# Altium PCB PCB-SM-multi.PcbDoc (part 1 of 2) (continued)
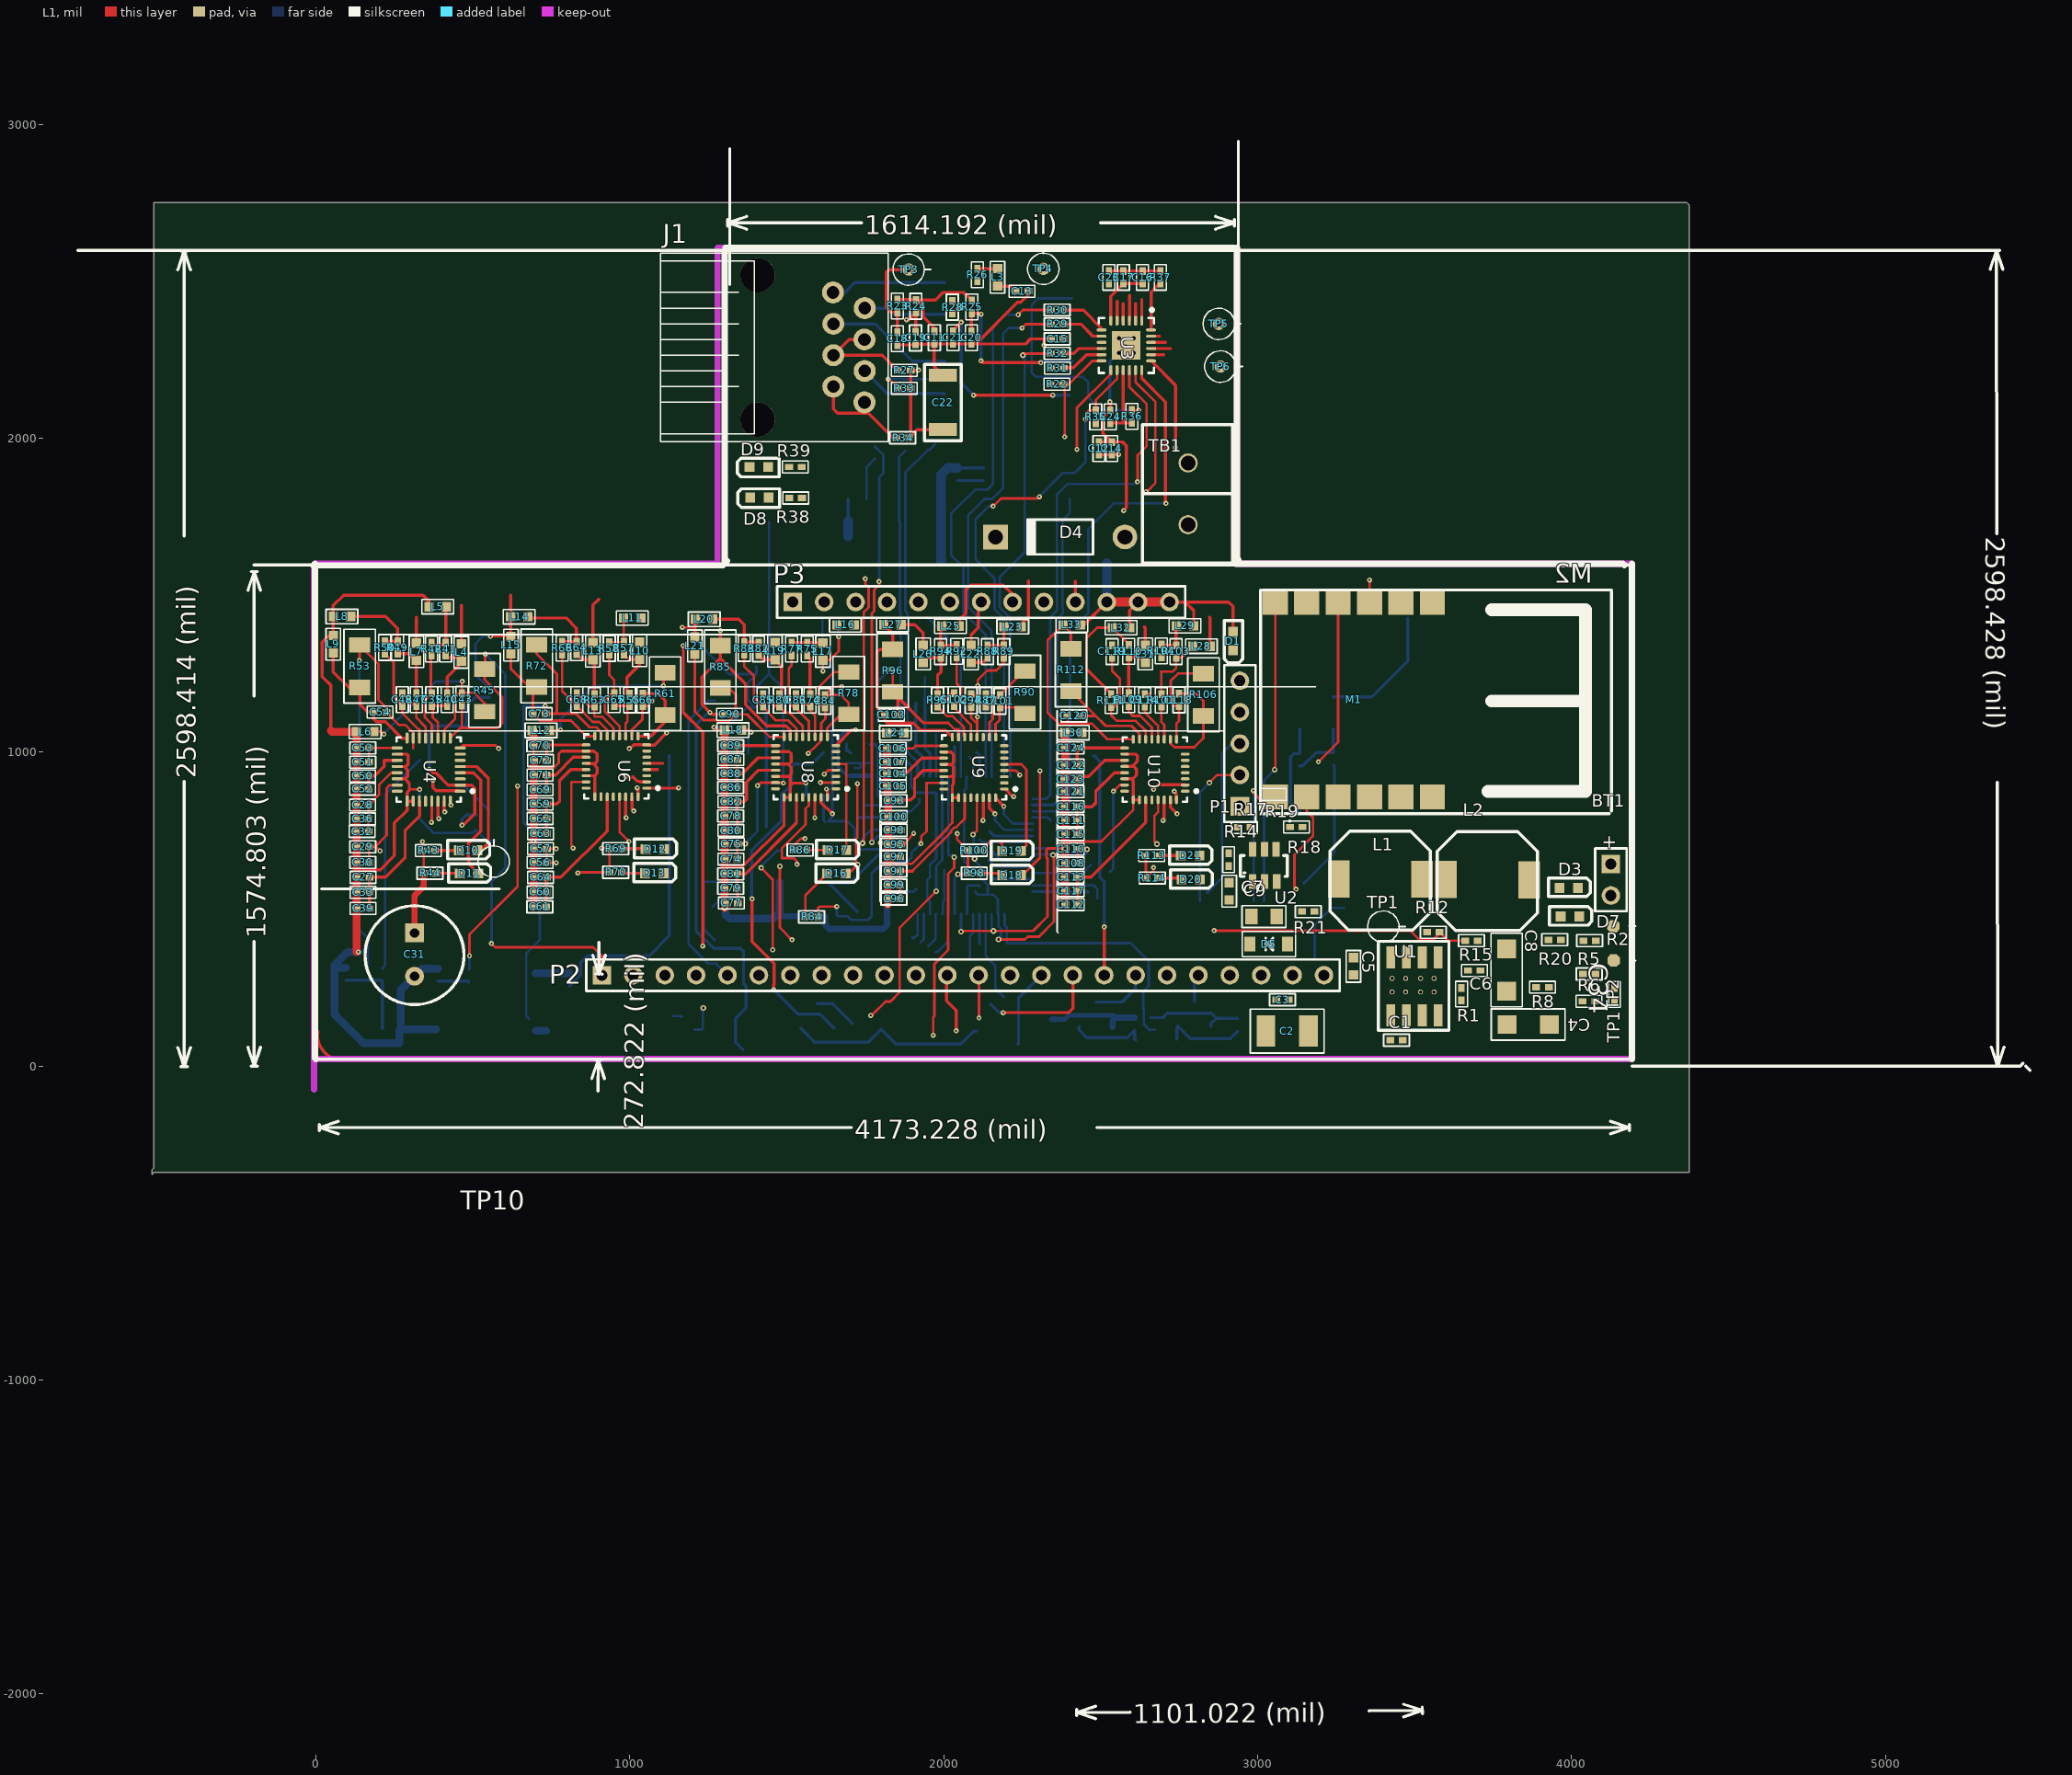
[diagram p0: L1 view]
## Components (designator, comment, footprint, x,y, rotation, side; value= is the part's Value field where it differs from the comment) (continued)
Q12 "MMBT2222" MMBT2222 2851.15,127.26 r180 bottom
R1 "100K" 0402R-GENERIC 3649,249 r270 top
R2 "150R" 0402R-GENERIC 4037,399 r0 top
R3 "100K" 0402R-TBD 3383,505 r0 bottom
R4 "47R" 0402R-GENERIC 3135,1277 r270 bottom
R5 "52.5K" 0402R-TBD 4036,293 r0 top
R6 "10k/1%" 0402R-TBD 4075,206 r180 top
R7 "27K" 0402R-TBD 3315,503 r180 bottom
R8 "10k/5%" 0402C-TBD 3927,251 r180 top
R9 "1K" 0402R-TBD 3243,1239 r90 bottom
R10 "10R" 0402C-TBD 3187,1533 r270 bottom
R11 "10R" 0402R-TBD 3280,874 r270 bottom
R12 "57.6K" 0402R-TBD 3579,426 r180 top
R13 "10K" 0402R-TBD 3241,999 r270 bottom
R14 "0/125W" 0402R-GENERIC 2907,637 r90 top
R15 "27K" 0402R-GENERIC 3701,399 r180 top
R16 "10K" 0402R-TBD 3134,956 r90 bottom
R17 "10K" 0402R-TBD 2937,760 r0 top
R18 "75K/1%/.125W" 0402R-TBD 3143,761 r180 top
R19 "40.2K/1%/.125W" 0402R-TBD 3030,865 r0 top
R20 "47" 0402R-TBD 3926,402 r0 top
R21 "13K" 0402R-TBD 3141,492 r0 top
R22 "1.5K" 0402R-TBD 2380,2172 r180 top
R23 "49.9" 0402R-TBD 1852,2401 r90 top
R24 "49.9" 0402R-TBD 1911,2400 r90 top
R25 "49.9" 0402R-TBD 2089,2398 r90 top
R26 "49.9" 0402R-TBD 2107,2500 r90 top
R27 "75/1%/.125W" 0402R-TBD 1854,2216 r0 top
R28 "75/1%/.125W" 0402R-TBD 2027,2397 r90 top
R29 "100" 0402R-TBD 2381,2363 r180 top
R30 "100" 0402R-TBD 2381,2408 r180 top
R31 "100" 0402R-TBD 2382,2223 r180 top
R32 "100" 0402R-TBD 2381,2270 r180 top
R33 "75/1%/.125W" 0402R-TBD 1894,2159 r180 top
R34 "75/1%/.125W" 0402R-TBD 1849,2001 r0 top
R35 "33" 0402R-TBD 2484,2048 r90 top
R36 "4.7k" 0402R-TBD 2599,2049 r90 top
R37 "12.1k" 0402R-TBD 2690,2532 r270 top
R38 "45" 0402R-TBD 1508,1809 r0 top
R39 "45" 0402R-TBD 1507,1908 r0 top
R40 "1K" 0402R-TBD 418,1147 r90 top
R41 "18.7" 0402R-TBD 413,1348 r270 top
R42 "1K" 0402R-TBD 368,1308 r90 top
R43 "220" 0402R-TBD 378,686 r180 top
R44 "220" 0402R-TBD 383,614 r180 top
R45 "470/1%/.250W" 1206FB-GENERIC 537,1264 r270 top
R46 "1M" 0402R-TBD 2609,1230 r270 bottom
R47 "1K" 0402R-TBD 320,1147 r90 top
R48 "470" 0402R-TBD 211,310 r270 bottom
R49 "18.7" 0402R-TBD 260,1353 r270 top
R50 "1K" 0402R-GENERIC 219,1313 r90 top
R51 "2K" 0402R-TBD 95,313 r270 bottom
R52 "1M" 0402R-TBD 511,799 r0 bottom
R53 "470/1%/.250W" 1206FB-GENERIC 139,1341 r270 top
R54 "470" 0402R-TBD 487,307 r270 bottom
R55 "1K" 0402R-TBD 999,1146 r90 top
R56 "2K" 0402R-TBD 388,310 r270 bottom
R57 "18.7" 0402R-TBD 981,1351 r270 top
R58 "1K" 0402R-TBD 934,1310 r90 top
R59 "10k" 0402R-TBD 1440,1193 r180 bottom
R60 "470" 0402R-TBD 807,255 r90 bottom
R61 "470/1%/.250W" 1206FB-GENERIC 1112,1118 r90 top
R62 "2K" 0402R-TBD 699,255 r90 bottom
R63 "1K" 0402R-TBD 887,1145 r90 top
R64 "18.7" 0402R-TBD 830,1352 r270 top
R65 "470" 0402R-TBD 1166,156 r270 bottom
R66 "1K" 0402R-TBD 784,1311 r90 top
R67 "220" 0402R-TBD 1780,1934 r90 bottom
R68 "220" 0402C-TBD 1940,1865 r90 bottom
R69 "220" 0402R-GENERIC 975,692 r180 top
R70 "220" 0402R-TBD 975,617 r180 top
R71 "2K" 0402R-TBD 896,103 r90 bottom
R72 "470/1%/.250W" 1206FB-GENERIC 703,1342 r270 top
R73 "470" 0402R-TBD 1206,116 r90 bottom
R74 "1K" 0402R-TBD 1574,1145 r90 top
R75 "18.7" 0402R-TBD 1565,1348 r270 top
R76 "2K" 0402R-GENERIC 1462,108 r90 bottom
R77 "1K" 0402R-TBD 1515,1308 r90 top
R78 "470/1%/.250W" 1206FB-GENERIC 1697,1120 r90 top
R79 "470" 0402R-GENERIC 1975,1057 r90 bottom
R80 "1K" 0402R-GENERIC 1476,1145 r90 top
R81 "2K" 0402R-GENERIC 1690,1067 r270 bottom
R82 "18.7" 0402R-GENERIC 1410,1349 r270 top
R83 "1K" 0402R-TBD 1364,1310 r90 top
R84 "220" 0402R-TBD 1559,475 r0 top
R85 "470/1%/.250W" 1206FB-GENERIC 1288,1339 r270 top
R86 "220" 0402R-TBD 1562,688 r180 top
R87 "1K" 0402R-TBD 2134,1145 r90 top
R88 "18.7" 0402R-TBD 2139,1340 r270 top
R89 "1K" 0402R-TBD 2191,1300 r90 top
R90 "470/1%/.250W" 1206FB-GENERIC 2258,1123 r90 top
R91 "470" 0402R-TBD 1765,1025 r90 bottom
R92 "1K" 0402R-TBD 2041,1301 r90 top
R93 "2K" 0402R-TBD 1835,1025 r90 bottom
R94 "18.7" 0402R-TBD 1990,1300 r90 top
R95 "1K" 0402R-TBD 1980,1145 r90 top
R96 "470/1%/.250W" 1206FB-GENERIC 1837,1192 r90 top
R97 "470" 0402R-TBD 2000,149 r270 bottom
R98 "220" 0402R-GENERIC 2117,614 r180 top
R99 "2K" 0402R-TBD 2294,146 r270 bottom
R100 "220" 0402R-GENERIC 2117,687 r180 top
R101 "K" 0402R-TBD 2693,1145 r90 top
R102 "470" 0402R-TBD 2344,109 r90 bottom
R103 "18.7" 0402R-TBD 2740,1340 r270 top
R104 "K" 0402R-TBD 2693,1302 r90 top
R105 "2K" 0402R-TBD 2608,114 r90 bottom
R106 "470/1%/.250W" 1206FB-GENERIC 2827,1250 r270 top
R107 "470" 0402R-TBD 2674,115 r90 bottom
R108 "2K" 0402R-TBD 2936,112 r90 bottom
R109 "K" 0402R-TBD 2589,1147 r90 top
R110 "18.7" 0402R-TBD 2589,1341 r270 top
R111 "K" 0402R-TBD 2533,1144 r90 top
R112 "470/1%/.250W" 1206FB-GENERIC 2405,1194 r90 top
R113 "220" 0402R-TBD 2682,670 r180 top
R114 "220" 0402R-TBD 2684,599 r180 top
TB1 "TB-2" "Terminal Block 2x5mm" 2778,1921 r270 top
TP1 "TESTPOINT" TESTPOINT#1 3400,444 r0 top
TP1 "TESTPOINT" TESTPOINT#2 4133,445 r0 top (schematic designator TP5)
TP2 "TESTPOINT" TESTPOINT#2 4134,336 r0 top (schematic designator TP8)
TP3 "TESTPOINT" TESTPOINT#3 1888,2537 r0 top
TP4 "TESTPOINT" TESTPOINT#3 2317,2539 r90 top (schematic designator TP5)
TP5 "TESTPOINT" TESTPOINT#3 2876,2364 r0 top
TP6 "TESTPOINT" TESTPOINT#3 2881,2228 r0 top (schematic designator TP7)
TP10 "TESTPOINT" TESTPOINT#4 566,651 r90 top
TrET1 "HX1224NL" S558-5999-Ethtransf 2408,2495 r270 bottom
U1 "MP2403" MP2403 3424,161 r0 top
U2 "MP1470" MP1470 2983.63,587.82 r0 top
U3 "LAN8720" QFN24_4X4_N 2581.26,2295.21 r270 top
U4 "STPM34" 32M1-A_M 359,944 r180 top
U5 "PIC32MX795" TQFP-PT64_N 2064,703 r180 bottom
U6 "STPM34" 32M1-A_L#1 957,954 r180 top
U7 "23LCV1024" SO8_L 1385,611 r180 bottom
U8 "STPM34" 32M1-A_L#1 1560,952 r180 top
U9 "STPM34" 32M1-A_L#1 2096,951 r180 top
U10 "STPM34" 32M1-A_L#2 2672.46,944.16 r180 top
Y1 "25 MHz" 25Mhz-oscl 2794,2306 r90 bottom
Y2 "8Mhz" CeramicResonator8-16MHZ 1622,580.57 r90 bottom
Y3 "16Mhz" CeramicResonator8-16MHZ 479,1083 r270 bottom

## Footprints (in the part's own frame and the unit in brackets; to place one, negate y for a bottom-side part, rotate by r counter-clockwise, add the part's x,y. Pads: shape width x height; smd on the part's side, far side on the other; paste and mask are expansions set on the pad)
25Mhz-oscl [mm]
  rect 1.9x2.6 smd: 1(0,0) 2(4,0)
  silkscreen extent -1.3,-1.7 5.5,1.7
32M1-A_L#1 [mm] "32-Pin Quad Flat No-Lead 0.5 mm Pitch, IPC High Density"
  oval 0.7x0.25 smd: 1(-2.45,1.75) 2(-2.45,1.25) 3(-2.45,0.75) 4(-2.45,0.25) 5(-2.45,-0.25) 6(-2.45,-0.75) 7(-2.45,-1.25) 8(-2.45,-1.75) 17(2.45,-1.75) 18(2.45,-1.25) 19(2.45,-0.75) 20(2.45,-0.25) 21(2.45,0.25) 22(2.45,0.75) 23(2.45,1.25) 24(2.45,1.75)
  oval 0.25x0.7 smd: 9(-1.75,-2.45) 10(-1.25,-2.45) 11(-0.75,-2.45) 12(-0.25,-2.45) 13(0.25,-2.45) 14(0.75,-2.45) 15(1.25,-2.45) 16(1.75,-2.45) 25(1.75,2.45) 26(1.25,2.45) 27(0.75,2.45) 28(0.25,2.45) 29(-0.25,2.45) 30(-0.75,2.45) 31(-1.25,2.45) 32(-1.75,2.45)
  silkscreen extent -3.48,-2.6 2.6,2.6, body extent -2.58,-2.58 2.58,2.58, height 1
32M1-A_L#2 [mm] "32-Pin Quad Flat No-Lead 0.5 mm Pitch, IPC High Density"
  oval 0.7x0.25 smd: 1(-2.45,1.75) 2(-2.45,1.25) 3(-2.45,0.75) 4(-2.45,0.25) 5(-2.45,-0.25) 6(-2.45,-0.75) 7(-2.45,-1.25) 17(2.45,-1.75) 18(2.45,-1.25) 19(2.45,-0.75) 20(2.45,-0.25) 21(2.45,0.25) 22(2.45,0.75) 23(2.45,1.25) 24(2.45,1.75)
  oval 0.25x0.7 smd: 9(-1.75,-2.45) 10(-1.25,-2.45) 11(-0.75,-2.45) 12(-0.25,-2.45) 13(0.25,-2.45) 14(0.75,-2.45) 15(1.25,-2.45) 16(1.75,-2.45) 25(1.75,2.45) 26(1.25,2.45) 27(0.75,2.45) 28(0.25,2.45) 29(-0.25,2.45) 30(-0.75,2.45) 31(-1.25,2.45) 32(-1.75,2.45)
  silkscreen extent -3.48,-2.6 2.6,2.6, body extent -2.58,-2.58 2.58,2.58, height 1
32M1-A_M [mm] "32-Pin Quad Flat No-Lead 0.5 mm Pitch, IPC Low Density"
  oval 0.9x0.25 smd paste+0 mask+0.076: 1(-2.55,1.75) 2(-2.55,1.25) 3(-2.55,0.75) 4(-2.55,0.25) 5(-2.55,-0.25) 6(-2.55,-0.75) 7(-2.55,-1.25) 8(-2.55,-1.75)
  oval 0.25x0.9 smd: 9(-1.75,-2.55) 10(-1.25,-2.55) 11(-0.75,-2.55) 12(-0.25,-2.55) 13(0.25,-2.55) 14(0.75,-2.55) 15(1.25,-2.55) 16(1.75,-2.55) 25(1.75,2.55) 26(1.25,2.55) 27(0.75,2.55) 28(0.25,2.55) 29(-0.25,2.55) 30(-0.75,2.55) 31(-1.25,2.55) 32(-1.75,2.55)
  oval 0.9x0.25 smd: 17(2.55,-1.75) 18(2.55,-1.25) 19(2.55,-0.75) 20(2.55,-0.25) 21(2.55,0.25) 22(2.55,0.75) 23(2.55,1.25) 24(2.55,1.75)
  silkscreen extent -3.68,-2.6 2.6,2.6, body extent -2.58,-2.58 2.58,2.58, height 1
0402C-GENERIC [mil]
  rect 25x20 smd: 1(0,0) 2(40,0)
  silkscreen extent -21,-19 61,19
0402C-TBD [mil]
  rect 25x20 smd: 1(0,0) 2(40,0)
  silkscreen extent -21,-19 61,19, body extent 2,-9 39,9, height 19
0402R-GENERIC [mil]
  rect 25x20 smd: 1(0,0) 2(40,0)
  silkscreen extent -21,-19 61,19, body extent -6,-10 46,10, height 14
0402R-TBD [mil]
  rect 25x20 smd: 1(0,0) 2(40,0)
  silkscreen extent -21,-19 61,19, body extent -6,-10 46,10, height 14
470uF/6.3v [mil]
  rect 60x60 hole 30: 1(0,0)
  round 60 hole 30: 2(137.8,0)
  silkscreen extent -87,-157 228,157
0603C-2U2 [mil] "CAPACITOR 0603"
  rect 30x30 smd: 1(0,0) 2(55,0)
  silkscreen extent -23,-23 78,23, body extent -4,-15 59,15, height 19
0603C-GENERIC [mil] "CAPACITOR 0603"
  rect 30x30 smd: 1(0,0) 2(55,0)
  silkscreen extent -23,-23 78,23, body extent -4,-15 59,15, height 19
0603C-TBD [mil] "CAPACITOR 0603 TBD"
  rect 30x30 smd: 1(0,0) 2(55,0)
  silkscreen extent -23,-23 78,23, body extent -4,-15 59,15, height 19
0805C-GENERIC [mil] "CAPACITOR 0805"
  rect 40x50 smd: 1(-10,0) 2(70,0)
  silkscreen extent -40,-35 100,35, body extent -11,-25 70,25, height 26
1206C-GENERIC [mil]
  rect 60x60 smd: 1(0,0) 2(135,0)
  silkscreen extent -50,-50 185,50, body extent -8,-29 147,29, height 46
1206FB-GENERIC [mm] "FERRITE BEAD 1206"
  rect 1.25x1.7 smd: 1(0,0) 2(3.429,0)
  silkscreen extent -1.27,-1.27 4.7,1.27, body extent 0.11,-0.81 3.31,0.8, height 1.55
1210C-GENERIC [mil]
  rect 60x100 smd: 1(0,0) 2(135,0)
  silkscreen extent -50,-70 185,70, body extent -10,-50 145,50, height 46
1808 [mm]
  rect 1.05x2.3 smd: 1(0,0) 2(4.4,0)
  silkscreen extent -0.9,-1.5 5.28,1.5
BAT-2 [mm] "Battery; 2 Leads"
  rect 1.5x1.5 hole 0.9: 1(-1.27,0)
  round 1.5 hole 0.9: 2(1.27,0)
  silkscreen extent -2.54,-1.27 2.54,1.27
CeramicResonator8-16MHZ [mm]
  rect 1.7x4 smd: 1(0,0) 2(5,0)
  rect 1.5x4 smd: 3(2.5,0)
  silkscreen extent -1.5,-2.5 6.5,2.5
DO-41 [mm] "Diode, Axial; Body 5.2 x 2.7 mm (LxDia. max), Lead Dia. 0.86 mm (max)"
  round 2 hole 1.2: 1(-5.23,0)
  rect 2x2 hole 1.2: 2(5.23,0)
  silkscreen extent -2.65,-1.41 2.75,1.4
ESP8266WROOm-02 [mm]
  rect 2.5x0.92 smd: 1(0,12.9) 2(0,11.4) 3(0,9.9) 4(0,8.4) 5(0,6.9) 6(0,5.4) 7(0,3.9) 8(0,2.4) 9(0,0.9) 10(18.3,0.9) 11(18.3,2.4) 12(18.3,3.9) 13(18.3,5.4) 14(18.3,6.9) 15(18.3,8.4) 16(18.3,9.9) 17(18.3,11.4) 18(18.3,12.9)
  silkscreen extent -2.2,0 20.5,20.25
HDR1X5 [mm] "Connector; Header; 5 Position"
  rect 1.5x1.5 hole 0.9: 1(0,0)
  round 1.5 hole 0.9: 2(2.54,0) 3(5.08,0) 4(7.62,0) 5(10.16,0)
  silkscreen extent -1.27,-1.27 11.43,1.27
HDR1X13 [mm] "Connector; Header; 13 Position"
  rect 1.5x1.5 hole 0.9: 1(0,0)
  round 1.5 hole 0.9: 2(2.54,0) 3(5.08,0) 4(7.62,0) 5(10.16,0) 6(12.7,0) 7(15.24,0) 8(17.78,0) 9(20.32,0) 10(22.86,0) 11(25.4,0) 12(27.94,0) 13(30.48,0)
  silkscreen extent -1.27,-1.27 31.75,1.27
HDR1X24 [mm] "Connector; Header; 24 Position"
  rect 1.5x1.5 hole 0.9: 1(0,0)
  round 1.5 hole 0.9: 2(2.54,0) 3(5.08,0) 4(7.62,0) 5(10.16,0) 6(12.7,0) 7(15.24,0) 8(17.78,0) 9(20.32,0) 10(22.86,0) 11(25.4,0) 12(27.94,0) 13(30.48,0) 14(33.02,0) 15(35.56,0) 16(38.1,0) 17(40.64,0) 18(43.18,0) 19(45.72,0) 20(48.26,0) 21(50.8,0) 22(53.34,0) 23(55.88,0) 24(58.42,0)
  silkscreen extent -1.27,-1.27 59.69,1.27
LED-SM [mm]
  rect 0.8x0.8 smd: 1(0,0) 2(1.5,0)
  silkscreen extent -0.9,-0.7 2.5,0.8
MMBT2222 [mm]
  rect 0.8x0.9 smd: B(0,0) C(1.35,2) E(2.7,0)
  silkscreen extent -1,-0.8 3.7,2.8
MP1470 [mm] "Power  Supply IC"
  rect 0.6x1.2 smd: 1(0,0) 2(0.95,0) 3(1.95,0) 4(1.9,2.6) 5(0.95,2.6) 6(0,2.6)
  silkscreen extent -1,0.4 2.8,2.1
MP2403 [mil]
  rect 28x70 smd: 1(0,0) 2(50,0) 3(100,0) 4(150,0) 5(150,185) 6(100,185) 7(50,185) 8(0,185)
  rect 0x0 smd: 4(70.87,94.49)
  round 15.75 hole 10: 10(3.94,74.8) 11(47.24,74.8) 12(94.49,74.8) 13(137.8,74.8) 14(137.8,118.11) 15(94.49,118.11) 16(47.24,118.11) 17(3.94,118.11)
  silkscreen extent -39,-47 185,236
"MRF24J40MA-zigBEE module" [mil]
  rect 80x80 smd: 1(0,500) 2(0,400) 3(0,300) 4(0,200) 5(0,100) 6(0,0) 7(620,0) 8(620,100) 9(620,200) 10(620,300) 11(620,400) 12(620,500)
  silkscreen extent -39,-47 673,1071
"Murata 15uH inductor" [mm]
  rect 1.75x3 smd: 1(0,0.025) 2(6.75,0)
  silkscreen extent -0.7,-4.1 7.4,3.9
QFN24_4X4_N [mm] "QFN, 24-Leads, Body 4x4mm, Pitch 0.5mm, IPC Medium Density"
  oval 0.8x0.25 smd: 1(-2,1.25) 2(-2,0.75) 3(-2,0.25) 4(-2,-0.25) 5(-2,-0.75) 6(-2,-1.25) 13(2,-1.25) 14(2,-0.75) 15(2,-0.25) 16(2,0.25) 17(2,0.75) 18(2,1.25)
  oval 0.25x0.8 smd: 7(-1.25,-2) 8(-0.75,-2) 9(-0.25,-2) 10(0.25,-2) 11(0.75,-2) 12(1.25,-2) 19(1.25,2) 20(0.75,2) 21(0.25,2) 22(-0.25,2) 23(-0.75,2) 24(-1.25,2)
  rect 2.3x2.3 smd: 25(0,0)
  silkscreen extent -3,-2.22 2.22,2.22, body extent -2.07,-2.07 2.07,2.07, height 1
RJ45-8/8 [mil]
  round 70 hole 40: 1(-100,350) 2(1,300) 3(-99,250) 4(0,200) 5(-99,150) 6(1,100) 7(-99,50) 8(0,0)
  round 110 hole 110 unplated: A(-340,-55) B(-340,405)
  silkscreen extent -650,-125 75,475
S558-5999-Ethtransf [mil]
  rect 25x50 smd: 1(0,0) 2(50,0) 3(100,0) 4(150,0) 5(200,0) 6(250,0) 7(300,0) 8(350,0) 9(354.33,405) 10(300,405) 11(250,405) 12(200,405) 13(150,405) 14(100,405) 15(50,405) 16(0,405)
  silkscreen extent -35,8 370,358
SO8_L [mm] "SOIC, 8-Leads, Body 4.9x3.9mm, Pitch 1.27mm, IPC High Density"
  oval 1.9x0.6 smd: 1(-2.35,1.905) 2(-2.35,0.635) 3(-2.35,-0.635) 4(-2.35,-1.905) 5(2.35,-1.905) 6(2.35,-0.635) 7(2.35,0.635) 8(2.35,1.905)
  silkscreen extent -2.48,-2.5 1,2.88, body extent -2,-2.5 2,2.5, height 1.75
SOD-123 [mm]
  rect 0.9x1.2 smd: A(3.048,0) K(0,0)
  silkscreen extent -0.64,-1.02 3.68,1.02, body extent -0.18,-0.87 3.3,0.87, height 0.79
SOT23-DIODE [mm] "SOT23 WITH A/K PIN NUMBERS"
  rect 0.9x0.7 smd: A(0,0) K(2.032,-0.965) NC(0,-1.9)
  silkscreen extent -0.63,-2.54 2.8,0.64, body extent -0.1,-2.41 2.34,0.51, height 1.33
"Terminal Block 2x5mm" [mm]
  round 1.55 hole 1.2: 1(0,0) 2(5,0)
  silkscreen extent -3.1,-3.7 8.1,3.6
TESTPOINT#1 [mil]
  round 0 smd: 1(0,0)
  silkscreen extent -50,-50 70,50, body extent -54,-52 54,52, height 254
TESTPOINT#2 [mil]
  oct 39.37x39.37 smd: 1(0,0)
  silkscreen extent 50,0 70,0, body extent -54,-52 54,52, height 254
TESTPOINT#3 [mil]
  round 39.37 hole 15.75: 1(0,0)
  silkscreen extent -50,-50 70,50, body extent -54,-52 54,52, height 254
TESTPOINT#4 [mil]
  oct 0x0 all layers, no hole: 1(0,0)
  silkscreen extent -50,-50 70,50, body extent -54,-52 54,52, height 254
TQFP-PT64_N [mm] "Thin QFP, 64-Leads, Body 10x10mm, Pitch 0.5mm, IPC Medium Density"
  oval 1.8x0.3 smd: 1(-5.55,3.75) 2(-5.55,3.25) 3(-5.55,2.75) 4(-5.55,2.25) 5(-5.55,1.75) 6(-5.55,1.25) 7(-5.55,0.75) 8(-5.55,0.25) 9(-5.55,-0.25) 10(-5.55,-0.75) 11(-5.55,-1.25) 12(-5.55,-1.75) 13(-5.55,-2.25) 14(-5.55,-2.75) 15(-5.55,-3.25) 16(-5.55,-3.75) 33(5.55,-3.75) 34(5.55,-3.25) 35(5.55,-2.75) 36(5.55,-2.25) 37(5.55,-1.75) 38(5.55,-1.25) 39(5.55,-0.75) 40(5.55,-0.25) 41(5.55,0.25) 42(5.55,0.75) 43(5.55,1.25) 44(5.55,1.75) 45(5.55,2.25) 46(5.55,2.75) 47(5.55,3.25) 48(5.55,3.75)
  oval 0.3x1.8 smd: 17(-3.75,-5.55) 18(-3.25,-5.55) 19(-2.75,-5.55) 20(-2.25,-5.55) 21(-1.75,-5.55) 22(-1.25,-5.55) 23(-0.75,-5.55) 24(-0.25,-5.55) 25(0.25,-5.55) 26(0.75,-5.55) 27(1.25,-5.55) 28(1.75,-5.55) 29(2.25,-5.55) 30(2.75,-5.55) 31(3.25,-5.55) 32(3.75,-5.55) 49(3.75,5.55) 50(3.25,5.55) 51(2.75,5.55) 52(2.25,5.55) 53(1.75,5.55) 54(1.25,5.55) 55(0.75,5.55) 56(0.25,5.55) 57(-0.25,5.55) 58(-0.75,5.55) 59(-1.25,5.55) 60(-1.75,5.55) 61(-2.25,5.55) 62(-2.75,5.55) 63(-3.25,5.55) 64(-3.75,5.55)
  silkscreen extent -5.68,-4.25 4.25,4.57, body extent -5,-5 5,5, height 1.2

## Part data
BT1: library part Battery, "Multicell Battery"
C1 C2 C3 C4 C5 C6 C7 C8 C9 C10 C11 C12 C13 C14 C15 C16 C24 C28 C38 C39 C46 C59 C64 C78 C81 C93 C99 C111 C117: library part Cap, "Capacitor"
C17 C18 C19 C20 C21 C22 C23 C25 C26 C27 C29 C30 C32 C33 C34 C35 C36 C37 C40 C41 C42 C43 C44 C45 C47 C48 C49 C50 C51 C52 C53 C54 C55 C56 C57 C60 C61 C62 C63 C65 C66 C67 C68 C69 C70 C71 C72 C73 C74 C75 C77 C79 C80 C82 C83 C84 C85 C86 C87 C88 C89 C90 C91 C94 C95 C96 C97 C98 C100 C101 C102 C103 C104 C105 C106 C107 C108 C110 C112 C113 C114 C115 C116 C118 C119 C120 C121 C122 C123 C124: library part 0805C-18PF-50V-C0G-JOH, "CAPACITOR 0805 CERAMIC"
D1: library part "D Schottky", "Schottky Diode"
D2 D3 D7 D8 D9: library part LED2, "Typical RED, GREEN, YELLOW, AMBER GaAs LED"
D4: library part "Diode 1N4007", "1 Amp General Purpose Rectifier"
D5: library part 1N4001, "1N4001"
D6: library part "D Zener", "Zener Diode"
D10 D11 D12 D13 D14 D15 D16 D17 D18 D19 D20 D21: "Typical RED, GREEN, YELLOW, AMBER GaAs LED"
J1: "GENERIC RJ45 CONNECTOR 8 PIN"
L1 L2: library part Inductor, "Inductor"
L3: library part 1U-1239AS-TOKO, "1239AS-H-1R0N"
L4 L6 L7 L8 L9 L10 L11 L12 L13 L14 L15 L16 L17 L18 L19 L20 L21 L22 L23 L24 L25 L26 L27 L28 L29 L30 L31 L32 L33: library part FerrBeads/ILBB
M2: library part "ESP 8266"
P1: "Header, 5-Pin"
P2: "Header, 24-Pin"
P3: "Header, 13-Pin"
Q1: library part MMBT2222, "GENERIC PNP BIPOLAR TRANSISTOR"
Q2 Q3 Q4 Q5 Q6 Q7 Q8 Q9 Q10 Q11 Q12: "BC847 SMALL SIGNAL NPN TRANSISTOR"
R1 R2 R3 R4 R5 R6 R7 R8 R9 R10 R11 R12 R13 R14 R15 R16 R17 R18 R19 R20 R21 R22 R23 R24 R25 R26 R27 R28 R29 R30 R31 R32 R33 R34 R35 R36 R37 R38 R39 R40 R41 R42 R43 R44 R45 R46 R47 R48 R49 R50 R51 R52 R53 R54 R55 R56 R57 R58 R59 R60 R61 R62 R63 R64 R65 R66 R67 R68 R69 R70 R71 R72 R73 R74 R75 R76 R77 R78 R79 R80 R81 R82 R83 R84 R85 R86 R87 R88 R89 R90 R91 R92 R93 R94 R95 R96 R97 R98 R99 R100 R101 R102 R103 R104 R105 R106 R107 R108 R109 R110 R111 R112 R113 R114: library part Res3, "Resistor"
TP1 TP1 TP2 TP3 TP4 TP5 TP6 TP10: "TESTPOINT SCOPE GRABBER"
TrET1: library part S558-5999-Eth.TR
U5: library part PIC32MX534F064F
Y1: library part CRYSTAL-GENERIC, "GENERIC CRYSTAL"
Y2 Y3: library part XTAL, "Crystal Oscillator"

## Via types
v1: diameter 16, hole 6, L1 to L2, 72 vias
v2: diameter 16, hole 6, L2 to L4, 62 vias
v3: diameter 16, hole 6, L1 to L4, 54 vias
v4: diameter 18, hole 8, L1 to L4, 24 vias
v5: diameter 25.98, hole 12.99, L1 to L4, tented top, 4 vias

## Nets (pads, with @x,y where several pads share a name; then routed paths per layer and width w, separated by ;. In a path a pad name is that pad's centre, name@x,y a point inside that pad or via, vN(x,y) a via of type N, cw(c..) or ccw(c..) an arc to the next point about the centre after c; other vN are vias at no path point)
GND: BT1.2 C2.2 C3.2 C4.2 C5.2 C8.2 C9.1 C10.2 C11.2 C12.2 C13.2 C14.2 C15.2 C16.2 C17.2 C18.2 C19.2 C20.2 C21.2 C22.2 C23.2 C24.2 C25.2 C26.2 C27.1 C28.2 C29.2 C30.2 C31.2 C32.2 C33.2 C34.2 C36.1 C37.2 C38.2 C39.2 C40.2 C41.2 C42.2 C44.2 C45.2 C46.2 C47.2 C49.2 C50.2 C51.2 C52.2 C53.2 C55.2 C56.2 C57.1 C59.2 C60.2 C61.2 C62.2 C63.2 C64.2 C67.1 C69.2 C70.2 C71.2 C72.1 C74.2 C75.2 C77.2 C78.2 C79.2 C80.2 C81.2 C82.2 C86.2 C87.2 C88.2 C89.2 C91.2 C93.2 C95.2 C96.2 C97.2 C98.1 C99.2 C100.2 C104.2 C105.2 C106.2 C107.2 C108.2 C110.2 C111.2 C112.2 C113.2 C115.2 C116.2 C117.2 C121.2 C122.2 C123.2 C124.2 D1.1 D3.2 D6.A D7.2 D14.2 D15.2 L5.1 L6.1 L8.1 L9.1 L11.1 L12.1 L14.1 L15.1 L17.1 L18.1 L20.1 L21.1 L23.1 L24.1 L26.1 L27.1 L29.1 L30.1 L32.1 L33.1 M1.1 M1.11 M1.12 M2.9 P1.5 P2.23 P2.24 P3.11 P3.12 P3.13 Q2.E Q3.E Q4.E Q5.E Q6.E Q7.E Q8.E Q9.E Q10.E Q11.E Q12.E R6.2 R7.1 R8.1 R15.1 R16.2 R21.1 R37.1 R51.1 R56.1 R62.1 R71.1 R76.1 R81.1 R93.1 R99.1 R105.1 R108.1 TB1.2 U1.4@3574,161 U2.1 U3.25 U4.18 U4.20 U4.22 U4.25 U4.26 U5.9 U5.20 U5.25 U5.41 U6.18 U6.20 U6.22 U6.25 U6.26 U7.3 U7.4 U8.18 U8.20 U8.22 U8.25 U8.26 U9.18 U9.20 U9.22 U9.25 U9.26 U10.18 U10.20 U10.22 U10.25 U10.26 | length 18397.5
  L1 w8: 297,878 300,881 v3(330,881) ; v3(556,1369) L15.1@620,1369 ; C60.2@693,553 C60.2@694,554 ; C72.1@693,975 C70.2@693,1020 ; C70.2@693.81,1020 L12.1@693.81,1064.19 ; C64.2@694,600 C64.2@695,601 ; C56.2@694,648 C56.2@695,647 ; C57.1@694,691 C57.1@695,692 ; C69.2@694,880 C71.2@694,927 ; C71.2@695,928 695,951 ; C72.1@695,973 695,951 ; 782.21,1003.21 773,994 773,965 759,951 695,951 ; v3(1167,1397) 1206,1397 1207,1398 ; v3(1268,1079) 1277,1070 L18.1@1301,1070 ; v1@1616,1258 v1(1615,1258) L17.1@1615,1293 1636,1293 1665,1322 v3(1665,1367) ; v4(1798,711) 1817,711 C95.2@1822,706 ; C97.2@1821,666 1821.81,666 1843.61,644.2 1899.2,644.2 2007.4,752.4 2007.4,754.75 2027.1,774.45 U9.25@2027.1,854.54 ; v4(2055,428) 2057,430 v4(2158,430) 2284,430 2330,476 2330,660.58 2327.2,663.38 2327.2,689.2 2330.8,692.8 2384.2,692.8 C110.2@2386,691 ; 2386,716 2387,715 2502.12,715 2603.56,816.44 U10.25@2603.56,847.7
  L1 w10: 47,1069 47,1213.03 20,1240.03 20,1350 41,1371 L9.1@55,1371 ; L9.1@61,1371 L9.1@55,1371 ; L6.1@121.79,1057.79 L6.1@125.79,1061.79 ; 125.79,993.21 129,993.21 ; C27.1@129,602 C27.1@130,601 ; 129,627 149.4,627 151.2,625.2 205.2,625.2 250,670 250,774 290.1,814.1 U4.25@290.1,843.61 ; L6.1@129,1065 L6.1@125.79,1061.79 ; L6.1@137.79,1061.79 129,1061.79 L6.1@125.79,1061.79 ; U4.22@258.61,914.39 283.39,914.39 ; U4.20@258.61,953.84 285.84,953.84 ; U4.18@258.61,993.21 289.79,993.21 293,990 293,961 285.84,953.84 ; U4.26@309.79,843.61 U4.25@290.1,843.61 ; L5.1@360,1463 360,1481 341,1500 88,1500 55,1467 L8.1@55,1432 L9.1@55,1371 ; L15.1@620,1369 L14.1@620,1431 620,1500 ; 782.21,1003.21 U6.18@860.54,1003.21 885.79,1003.21 895,994 895,970 888.84,963.84 ; U6.22@860.54,924.47 887.53,924.47 896,932.94 896,950 888.84,957.16 888.84,963.84 ; U6.20@860.54,963.84 888.84,963.84 ; U6.25@888.1,857.54 888.1,923.9 ; L21.1@1207,1366 1207,1398 1207,1421 L20.1@1209,1423 ; 1301,637 1323.4,637 1324.2,636.2 1359.8,636.2 1491,767.4 1491,855.54 U8.25@1491.1,855.54 U8.26@1510.79,855.54 1510.79,893.37 ; U8.22@1476.54,922.47 1507.47,922.47 ; U8.20@1476.54,961.84 1506.84,961.84 ; U8.18@1476.54,1001.21 1506.79,1001.21 1513,995 1513,968 1506.84,961.84 ; v3(1560,901) 1518.42,901 1510.79,893.37 ; C18.2@1852,2297 1908,2297 C19.2@1910,2299 C11.2@1969,2299 ; L27.1@1864,1406 1907,1406 1934,1379 L26.1@1934,1340 ; C22.2@1997,2200.23 1969,2228.23 C11.2@1969,2299 ; U9.22@1999.54,921.47 2024.47,921.47 2031,928 ; U9.18@1999.54,1000.21 2023.79,1000.21 2031,993 2031,967 2024.84,960.84 ; 2023,961 1999.7,961 U9.20@1999.54,960.84 2023.16,960.84 2031,953 2031,928 ; U9.26@2046.79,854.54 U9.25@2027.1,854.54 2027.1,894.9 2031,898.8 2031,928 ; L23.1@2247,1399 2247,1408 2269,1430 2269,1545 ; 2269,2456 2245,2432 2234,2432 2102,2300 ; C13.2@2269,2468 C13.2@2274,2463 ; v1(2319,2296) 2319,2315 2318,2316 ; C15.2@2341,2316 2318,2316 ; L33.1@2435,1405 2446,1405 P3.11@2519,1478 ; C12.2@2494,1987 2495,1988 C14.2@2534,1988 ; C23.2@2526,2532 C17.2@2572,2532 C16.2@2633,2532 R37.1@2690,2532 ; v3(2529,2116) 2530,2115 C24.2@2530,2088 2528,2088 2528,2086.6 2507.2,2065.8 2507.2,2014.8 C14.2@2534,1988 ; v1(2573,1769) 2571,1769 2581,1779 2581,1976 2569,1988 C14.2@2534,1988 ; U10.22@2576,914.63 2601.63,914.63 ; U10.20@2576,954 2600,954 ; U10.18@2576,993.37 2610.63,993.37 2616,988 2616,973 2617,972 2614,969 2614,968 2600,954 ; L32.1@2592,1396 2592,1451 P3.12@2619,1478 ; U10.26@2623.24,847.7 U10.25@2603.56,847.7 2603.56,907.44 2601.63,909.37 2601.63,914.63 ; P3.13@2719,1478 2769,1478 ; L29.1@2796,1402 2796,1451 2769,1478 ; D1.1@2921,1383.06 2921,1464 2907,1478 2769,1478 ; 283.39,914.39 297,900.79 297,878 290.1,871.1 U4.25@290.1,843.61 ; 283.39,914.39 292,923 292,942 285.84,948.16 285.84,953.84 ; 1506.84,961.84 1506.84,959.16 1514,952 1514,929 1507.47,922.47 ; 1507.47,922.47 1510.79,922.47 1510.79,893.37 ; C11.2@1969,2299 C11.2@1970,2300 C21.2@2029,2300 C20.2@2088,2300 2102,2300 ; 2102,2300 2260,2300 2276,2316 2318,2316 ; 2600,954 2605,954 2614,945 2614,927 2601.63,914.63
  L1 w25: 47,1069 51,1065 L6.1@129,1065 129,1061.79 C53.2@129,1013 129,993.21 C51.2@129,968 C29.2@129,698 C30.2@129,648 129,627 129,602 129,554 C33.2@130,553 C39.2@130,502 v3@130,363 ; C61.2@693,507 693,553 v3(693,715) C72.1@693,975 ; C70.2@693,1020 L12.1@693,1065 ; L18.1@1301,1070 C89.2@1301,1020 C88.2@1301,931 C86.2@1301,887 C78.2@1301,796 1301,707 1301,637 C81.2@1301,612 C79.2@1301,566 1301,521 C77.2@1303,519 1303,504 v4(1302,503) ; C106.2@1818,1012 1819,1011 C107.2@1819,968 C104.2@1819,931 C105.2@1819,891 1821,889 C93.2@1821,845 1822,844 C100.2@1822,794 C98.1@1822,751 C95.2@1822,706 1821,705 C97.2@1821,666 C91.2@1821,621 C99.2@1821,576 C96.2@1821,532 v3(1821,513) ; C112.2@2386,514 C117.2@2386,558 C108.2@2386,646 C110.2@2386,691 ; v4(2386,692) 2386,716 C115.2@2386,737 C111.2@2386,781 2386,958 L30.1@2386,1061
  L1 w30: P3.11@2519,1478 P3.12@2619,1478 P3.13@2719,1478
  L2 w8: v2(572,717) 691,717 v3(693,715) ; v2(1402,1272) 1517,1272 1531,1258 v1(1615,1258) ; v3@1819,511 1890.2,439.8 1891.54,439.8 1901.54,429.8 2053.2,429.8 v4(2055,428)
  L2 w10: v1(2319,2296) 2319.79,2295.21 v1(2581.26,2295.21) ; v1(2573,1769) 2583,1759 2743.15,1759 TB1.2@2778,1724.15 ; v2(2611,83) 2740,83 v2(2743,86)
  L2 w30: v2(1695,1686) 1695,1633 1719,1609 v2(1993,1609) 1994,1609 2001,1602 v2(2519,1602)
  L4 w8: v3(330,881) 330,787 375,742 499,742 C49.2@509,752 544,717 v2(572,717) ; C55.2@553,1214 540,1214 508,1246 508,1345 532,1369 v3(556,1369) ; v3(693,715) v3@693,717 ; v3(1167,1397) 1316,1248 C45.2@1403,1248 ; v3(1268,1079) 1310,1079 1374,1143 C67.1@1399,1143 ; C67.1@1400,1143 C67.1@1399,1143 ; v2(1402,1272) 1403,1271 C45.2@1403,1248 ; v1(1615,1258) 1616,1258 ; v3(1665,1367) 1665,1422 1668,1425 ; v4(1798,711) 1798,712.68 1798.16,712.84 U5.41@1845.5,712.84 ; U5.25@2054.16,484.5 2055,483.65 v4(2055,428) ; U5.20@2152.58,484.5 2152.58,434.42 2158,429 v4(2158,430) ; U5.9@2282.5,693.16 2385.84,693.16 2386,693 v4(2386,692) ; C67.1@1399,1143 1375.7,1166.3 1375.7,1209.19 1377,1210.49 1377,1222 C45.2@1403,1248
  L4 w10: Q8.E@1543.85,120.26 1588.11,76 1759,76 1800.26,117.26 1848,69.52 2054.52,69.52 2095.7,110.7 Q10.E@2103.3,110.7 ; v3(1560,901) 1562,899 C42.2@1562,862 ; R81.1@1690,1067 1686,1067 1663,1044 1663,952.4 1690.4,925 C40.2@1691,925 ; D14.2@1695,1735 D15.2@1695,1806 ; C44.2@2043,1905 C38.2@2126,1905 ; Q11.E@2431,125 2431,115 2456,90 2584,90 R105.1@2608,114 2608,86 v2(2611,83) ; v3(2529,2116) 2529,2242.95 v5(2557.64,2271.59) ; v2(2743,86) 2743,125.41 Q12.E@2744.85,127.26 2785.11,87 2913,87 R108.1@2936,110 ; Q2.E@3134,1074 R16.2@3134,996 3116,996 3104,984 3104,838 D6.A@3135,807
  L4 w15: R81.1@1690,1067 R81.1@1694.14,1067 ; C40.2@1700,925 C37.2@1764,925
  L4 w20: 1465,477 C41.2@1622,477 1622,449 1634,437 C47.2@1724,437 1808,437 1819,448 v3@1819,511
  L4 w25: R51.1@95,313 66.4,313 58.7,320.7 ; v3(135,363) 101,363 58.7,320.7 ; 273.74,117.26 Q4.E@382.85,117.26 ; R56.1@388,310 338,310 C31.2@314,286 270,242 270,117.26 266,113.26 266,73 150.7,73 Q3.E@104.7,119 58.7,165 58.7,320.7 ; Q5.E@700.7,112 732.94,112 ; v4(1302,503) 1304,501 1304,483 1318,469 1457,469 1465,477 1477.52,489.52 U7.4@1477.52,536 U7.3@1477.52,585.7 ; v3@1819,511 v3(1821,513)
  L4 w30: v2(1695,1686) D14.2@1695,1735 ; v2(1993,1609) 1991,1611 1991,1883 2013,1905 C44.2@2043,1905 ; P3.11@2519,1478 v2(2519,1602)
  other v5: 2604.88,2271.59 2557.64,2318.83 2604.88,2318.83
NetBT1_1: BT1.1 D4.1 R10.1 R11.2 R12.2
NetC1_1: C1.1 U1.1
NetC1_2: C1.2 D1.2 L1.1 U1.3
NetC4_1: C4.1 D2.1 D4.2 R1.2 R3.2 R4.2 TB1.1 U1.2
NetC5_1: C5.1 U1.8
NetC6_1: C6.1 U1.6
NetC6_2: C6.2 R8.2
NetC7_1: C7.1 D5.K R14.1
NetC7_2: C7.2 L2.1 U2.2
NetC10_1: C10.1 D5.A L2.2
NetC11_1: C11.1 C12.1 C14.1 L3.2 R23.2 R24.2 R25.2 R26.2 U3.1 U3.19 | length 1075.7
  L1 w10: R23.2@1852,2441 1910,2441 R24.2@1911,2440 R24.2@1911.6,2440 ; C11.1@1970,2340 1970,2351 1933.8,2387.2 1933.8,2417.8 R24.2@1911.6,2440 ; R25.2@2089,2438 2063,2464 1997,2464 1973,2440 R24.2@1911.6,2440 ; R26.2@2107,2540 L3.2@2171,2540 ; C12.1@2494,1947 C14.1@2535,1947 2556,1947 v1(2557,1948) ; U3.1@2630.47,2373.95 2630.47,2441.53 ; U3.19@2660,2246 2738,2168 v1(2738,1970)
  L2 w10: v1(2557,1948) 2716,1948 v1(2738,1970)
NetC16_1: C16.1 C17.1 U3.6 | length 195.6
  L1 w10: U3.6@2532.05,2373.95 2532.05,2452.05 C17.1@2572,2492 C16.1@2633,2492
NetC18_1: C18.1 R23.1 TP3.1 TrET1.1 U3.21 | length 356.3
  L1 w10: C18.1@1852,2337 R23.1@1852,2401 1831,2401 1816,2416 1816,2528 1825,2537 TP3.1@1888,2537 ; U3.21@2660,2285.37 2722.37,2285.37
NetC19_1: C19.1 R24.1 TP4.1 TrET1.3 U3.20 | length 686
  L1 w10: v1(1881,2377) 1888,2377 R24.1@1911,2400 1911,2340 C19.1@1910,2339 ; U3.20@2660,2265.68 2700.32,2265.68
  L2 w10: v1(1881,2377) 1881,2448 1972,2539 TP4.1@2317,2539
NetC20_1: C20.1 R25.1 TP5.1 TrET1.6 U3.23 | length 560.5
  L1 w10: C20.1@2088,2340 2088,2397 2117,2397 v3(2119,2395) ; v3(2118,2246) 2124,2240 v3(2309,2240) ; U3.23@2660,2324.74 2687.74,2324.74
  L4 w10: v3(2118,2246) 2118,2394 v3(2119,2395) ; v3(2309,2240) 2314,2245 TrET1.6@2408,2245
NetC21_1: C21.1 R26.1 TP6.1 TrET1.8 U3.22 | length 639.4
  L1 w10: C21.1@2029,2340 2029,2343 v3(2055,2369) ; v3(2095,2137) v3(2347,2137) ; U3.22@2660,2305.05 2706.05,2305.05
  L4 w10: v3(2055,2369) 2056,2368 2056,2176 v3(2095,2137) ; v3(2347,2137) TrET1.8@2400,2137
NetC22_1: C22.1 R27.2 R28.1 R33.1 R34.2 | length 703
  L1 w10: R34.2@1889,2001 R34.2@1894,2006 ; v1(1920,2217) 1919,2216 R27.2@1894,2216 R33.1@1894,2159 R34.2@1894,2006 ; C22.1@1997,2027 1915,2027 R34.2@1894,2006 ; R28.1@2027,2397 2041.7,2411.7 2054.7,2411.7 v1(2058,2415)
  L2 w10: v1(1920,2217) 1992,2217 1998,2211 2010,2223 2010,2367 v1(2058,2415)
NetC24_1: C24.1 R36.1 U3.15 | length 242.7
  L1 w10: C24.1@2530,2048 2572,2048 ; U3.15@2571.42,2216.47 2571.42,2048.58 2572,2048 ; R36.1@2604,2048 2572,2048
NetC25_1: C25.1 U3.4 Y1.2 | length 54.5
  L1 w10: U3.4@2571.42,2373.95 2571.42,2428.42
NetC26_1: C26.1 U3.5 Y1.1 | length 61.2
  L1 w10: U3.5@2551.73,2373.95 2551.73,2435.12
NetC27_2: C27.2 C33.1 C39.1 U4.27 | length 437.5
  L1 w10: C39.1@170,502 C33.1@170,553 C27.2@170,601 221,601 284,664 284,751 329.47,796.47 U4.27@329.47,843.61
NetC28_1: C28.1 C32.1 C36.2 U4.21 | length 234.5
  L1 w8: C32.1@167,747 C36.2@167,786 ; C36.2@168,787 C28.1@168,831 201,864 201,895 240.16,934.16 U4.21@258.61,934.16
NetC35_1: C35.1 R42.1 U4.12 | length 279.6
  L1 w8: R42.1@366,1302 C35.1@366,1184 ; U4.12@368.84,1044.39 368.84,1087.97 346.91,1109.91 346.91,1138.09 346,1139 346,1164 C35.1@366,1184 ; C35.1@369,1187 C35.1@366,1184
NetC35_2: C35.2 R40.1 U4.11 | length 157.4
  L1 w8: C35.2@365,1143 372,1136 372,1111 388.53,1094.47 U4.11@388.53,1044.39 ; C35.2@369,1147 R40.1@418,1147
NetC42_1: C42.1 R46.2 U5.40 Y2.2 | length 1033.5
  L4 w8: 1613,1425 1613,1301 1645,1269 1645,792.43 1632,779.43 1693.57,779.43 1717,756 1717,704.58 1732.38,689.2 1749.62,689.2 1750.62,690.2 1807.66,690.2 1808.63,691.18 1843.52,691.18 U5.40@1845.5,693.16 ; C42.1@1617,862 1617,782.43 Y2.2@1622,777.43
NetC43_1: C43.1 L6.2 R45.2 U4.10 | length 681.4
  L1 w8: L6.2@184,1065 208,1065 v3(216,1057) ; U4.10@408.21,1044.39 408.21,1071.21 443,1106 443,1174 457,1188 C43.1@465,1188 C43.1@465,1189 ; C43.1@461,1189 C43.1@465,1189 ; v3(466,1225) 465,1224 C43.1@465,1189 ; R45.2@537,1129 537,1155 503,1189 C43.1@465,1189
  L4 w8: v3(216,1057) 221,1062 221,1064 382,1225 v3(466,1225)
NetC43_2: C43.2 P2.1 R45.1 U4.9 | length 1892.5
  L1 w8: U4.9@427.9,1044.39 460,1076.5 577.5,1076.5 594,1093 594,1174 537,1231 R45.1@537,1264 539,1266 v3(539,1312) ; 465,1081.5 C43.2@465,1148 ; v3(559,390) 571,378 883,378 911,350 P2.1@911,289
  L4 w8: v3(539,1312) 603,1248 603,631 559,587 v3(559,390)
NetC46_1: C46.1 U5.56 | length 550.5
  L4 w8: 1948,1428 2054.16,1321.84 U5.56@2054.16,921.5
NetC47_1: C47.1 R46.1 U5.39 Y2.1 | length 379.2
  L4 w10: Y2.1@1632,582.57 Y2.1@1633.43,582.57 ; C47.1@1724,492 Y2.1@1633.43,582.57 ; U5.39@1845.5,673.47 1845.42,673.4 1791.4,673.4 1700.57,582.57 Y2.1@1633.43,582.57
NetC48_1: C48.1 R50.1 U4.14 | length 316.1
  L1 w8: R50.1@219,1313 247,1285 247,1175 C48.1@275,1147 275,1124 326.47,1072.53 329.47,1072.53 U4.14@329.47,1044.39
NetC48_2: C48.2 R47.1 U4.13 | length 176.3
  L1 w8: C48.2@275,1187 315,1147 R47.1@320,1147 320,1109 349.16,1079.84 U4.13@349.16,1044.39
NetC49_1: C49.1 R52.2 U4.3 Y3.2 | length 117
  L4 w8: Y3.2@479,886.15 551,814.15 R52.2@551,799
NetC50_1: C50.1 C52.1 U4.19 | length 164.3
  L1 w10: C52.1@168,882 C50.1@168,924 187,924 217.53,954.53 217.53,973.53 U4.19@258.61,973.53
NetC51_1: C51.1 C53.1 U4.17 | length 134.6
  L1 w8: C51.1@169,968 C53.1@169,1013 258.5,1013 U4.17@258.61,1012.9
NetC54_1: C54.1 L9.2 R53.2 U4.16 | length 427.9
  L1 w10: L9.2@55,1316 55,1255 104,1206 R53.2@139,1206 139,1152 164,1127 C54.1@184,1127 184,1105 193,1096 222,1096 273.61,1044.39 U4.16@290.1,1044.39
NetC54_2: C54.2 P2.11 R53.1 U4.15 | length 3322.9
  L1 w8: v3(138,1292) 139,1293 R53.1@139,1341 199,1281 199,1166 224,1141 C54.2@224,1127 265,1086 284.94,1086 309.79,1061.15 U4.15@309.79,1044.39 309.79,1012.21
  L2 w8: v2(164,313) 221,313 260,352 373,352 403,322 581.78,322 583.27,323.48 803.48,323.48 881.8,401.8 1240.2,401.8 1311.67,330.33 1569.33,330.33 1589,350 1850,350 P2.11@1911,289
  L4 w8: v3(138,1292) 138,434 165,407 165,314 v2(164,313)